# Allegro board F407_PACK_V10A.brd (continued)
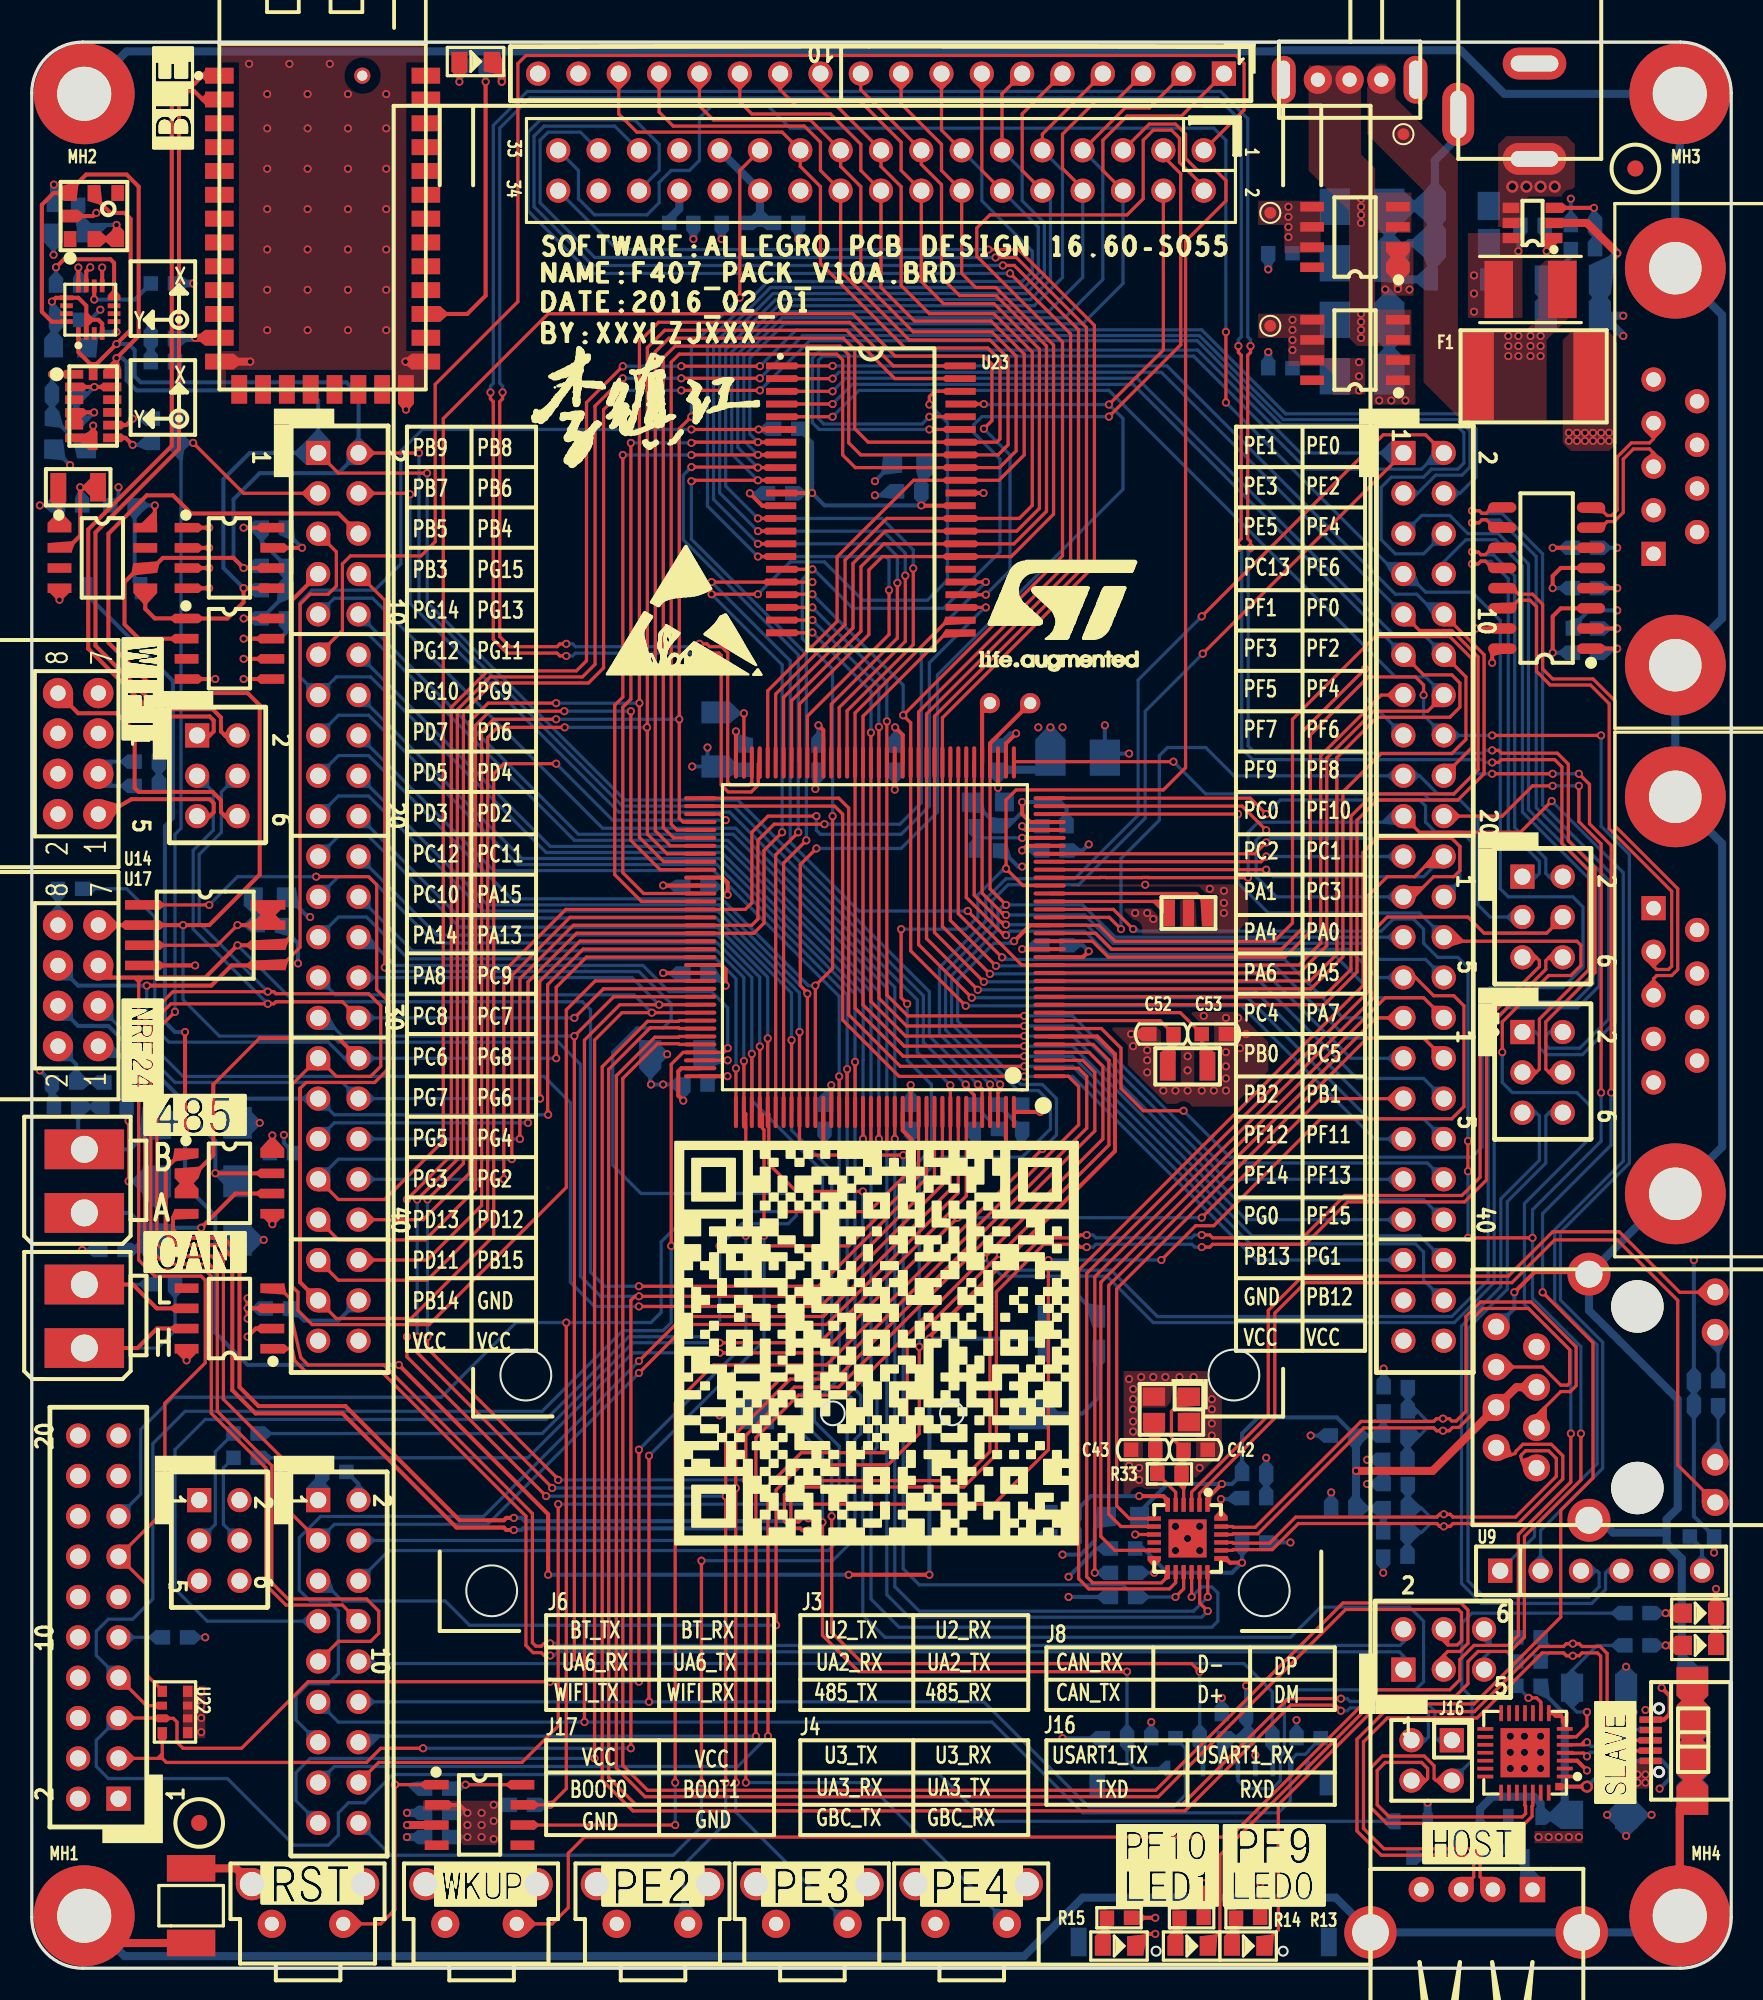
[diagram p0: board, top side]
## Routing (per net, layer and track width the routed paths; a pad name or vN(x,y) marks a point on that pad's centre or on a via; arc(x,y) is an arc through that point) (continued)
  BOTTOM w0.203: 5.46,28.45 6.86,29.84 6.86,33.91 8.89,35.94 25.78,35.94 30.48,40.64 v1(33.66,40.64) 38.99,40.64 39.62,41.27 39.62,45.72 41.53,47.62 v1(47.37,47.62) ; v1(32.64,10.29) R45.2 ; v1(55.12,60.71) 55.12,57.15 56.64,55.63 56.64,51.56 v1(55.37,50.29) ; v1(61.34,69.22) 61.21,69.22 59.56,67.56 59.56,66.17 58.8,65.41 v1(54.74,65.41)
PA5: length 43.4
  TOP w0.203: v1(61.34,66.29) 61.21,66.29 59.84,67.67 U21.41
  TOP w0.254: J18.2 59.84,79.14 U21.41
  BOTTOM w0.203: v1(61.34,66.29) 66.29,66.29 68.07,64.52 83.82,64.52 84.84,63.5 87.76,63.5 J10.28
PB0: length 111.5
  TOP w0.203: v1(60.22,108.18) 62.13,108.18 66.91,103.4 66.91,88.28 57.34,78.71 U21.46 57.34,65.58 v1(60.33,62.59)
  BOTTOM w0.203: J10.31 83.06,57.28 77.75,62.59 v1(60.33,62.59) ; v1(60.22,108.18) 36.85,108.18 J15.34
PB1: length 124.4
  TOP w0.203: v1(59.94,62.09) 56.84,65.19 U21.47 56.84,78.81 66.41,88.38 66.41,103.27 61.99,107.68 v1(60.68,107.68)
  BOTTOM w0.203: v1(60.68,107.68) 35.45,107.68 32,111.12 32,115.06 32.51,115.57 34.54,115.57 J15.31 ; J10.34 87.63,56.01 83.43,56.01 77.35,62.09 v1(59.94,62.09)
PB12: length 68.6
  TOP w0.203: v1(62.48,56.77) 54.68,56.77 51.44,60.02 51.44,73.03 50.81,73.65 U21.73
  BOTTOM w0.203: v1(62.48,56.77) 65.53,56.77 76.71,45.59 87.12,45.59 87.63,45.09 87.63,43.31 J10.44
PB13: length 63.7
  TOP w0.203: v1(62.48,56.13) 54.61,56.13 51.05,59.69 51.05,72.64 50.55,73.15 U21.74
  BOTTOM w0.203: J10.41 77.09,44.58 65.53,56.13 v1(62.48,56.13)
PC2: length 22.4
  TOP w0.203: U21.28 77.39,69.65 v1(77.72,69.98)
  BOTTOM w0.203: J10.21 v1(77.72,69.98)
PC3: length 30
  TOP w0.203: U21.29 77,70.15 v1(77.72,70.87)
  BOTTOM w0.203: J10.24 89.92,68.45 89.92,70.61 89.41,71.12 77.98,71.12 v1(77.72,70.87)
PC13: length 165.6
  TOP w0.203: U21.7 67.34,59.15 68.58,57.91 68.58,55.37 69.98,53.98 v1(72.52,53.98) ; v1(75.18,103) v1(75.18,98.55)
  BOTTOM w0.203: v1(75.18,98.55) 85.98,87.76 J10.7 86.61,87.76 87.76,86.61 90.68,86.61 92.46,84.84 92.46,67.94 92.96,67.44 97.03,67.44 97.66,66.8 97.66,62.99 96.39,61.72 91.82,61.72 91.31,61.21 91.31,51.69 90.68,51.05 75.44,51.05 v1(72.52,53.98) ; v1(75.18,103) 75.18,115.06 74.42,115.82 47.75,115.82 46.35,117.22 42.8,117.22 42.04,116.46 42.04,113.79 41.4,113.16 40.26,113.16 39.5,112.39 39.5,111.12 38.73,110.36 35.43,110.36 34.42,111.38 34.42,113.16 J15.33
PC14: length 10.3
  TOP w0.203: U21.8 71.04,59.65 C52.2 71.88,57.13 X3.2
PC15: length 12.5
  TOP w0.203: 73.53,58.8 73.66,58.67 73.66,56.97 73.86,56.77 X3.1 ; 73.53,58.8 73.53,58.93 72.31,60.15 U21.9 ; 73.53,58.8 C53.2
PF7: length 40
  TOP w0.203: v1(83.95,81.79) 80,77.84 80,65.45 78.69,64.14 67.99,64.14 66.99,65.15 U21.19
  BOTTOM w0.203: J10.15 83.95,80.01 v1(83.95,81.79)
PF8: length 138.7
  TOP w0.203: v1(40.51,11.68) 40.51,35.56 42.93,37.97 50.04,37.97 v1(63.63,51.56) ; J10.18 90.68,76.83 90.68,82.42 89.28,83.82 84.58,83.82 79.38,78.61 79.38,65.79 78.23,64.64 68.2,64.64 67.19,65.65 U21.20 ; U24.6 v1(40.51,9.01)
  TOP w0.254: v1(61.85,64.64) 62.85,65.65 U21.20
  BOTTOM w0.203: v1(61.85,64.64) 61.72,64.52 60.58,64.52 58.29,62.23 58.29,59.61 62.28,55.63 63.63,55.63 64.52,54.74 64.52,52.45 v1(63.63,51.56) ; v1(40.51,9.01) v1(40.51,11.68)
PF11: length 135.5
  TOP w0.203: v1(61.59,106.68) 65.41,102.87 65.41,88.65 55.84,79.08 U21.49 55.84,64.43 v1(59.18,61.09)
  BOTTOM w0.203: J15.30 39.5,113.16 39.5,114.81 37.97,116.33 32,116.33 31.24,115.57 31.24,110.62 35.18,106.68 v1(61.59,106.68) ; J10.36 87.63,53.47 84.17,53.47 76.55,61.09 v1(59.18,61.09)
RMII_CRS_DV: length 91.2
  TOP w0.203: v1(61.34,65.02) 61.21,65.02 58.84,67.4 U21.43 ; J10.30 87.63,61.09 85.22,61.09 67.31,43.18 67.31,27.18 68.19,26.3 U20.11
  BOTTOM w0.203: v1(61.34,65.02) 61.59,65.28 66.29,65.28 67.77,63.8 78.99,63.8 79.04,63.75 82.04,63.75 84.71,61.09 87.63,61.09 J10.30
RMII_REFCLK: length 100
  TOP w0.203: 72.02,24.95 72.02,24.27 71.63,23.88 66.55,23.88 65.91,24.51 65.91,43.94 74.09,52.12 74.1,52.12 74.37,52.39 74.37,52.4 83.82,61.85 83.82,70.23 84.71,71.12 89.41,71.12 89.92,70.61 89.92,69.09 89.53,68.71 88.27,68.71 87,67.44 J10.23 ; U21.35 76.2,73.15 v1(77.72,71.63)
  BOTTOM w0.203: J10.23 78.36,67.44 77.09,68.71 77.09,70.99 v1(77.72,71.63)
RMII_RX0: length 83.4
  TOP w0.203: U20.8 68.58,27.8 67.81,28.57 67.81,42.97 84.65,59.82 J10.29 ; v1(61.09,63.63) 58.34,66.38 U21.44
  BOTTOM w0.203: J10.29 82.55,59.82 78.87,63.5 61.21,63.5 v1(61.09,63.63)
RMII_RX1: length 88.6
  TOP w0.203: J10.32 87.63,58.55 84.09,58.55 68.31,42.77 68.31,29.1 69.11,28.3 U20.7 ; U21.45 57.84,65.96 v1(60.71,63.09)
  BOTTOM w0.203: v1(60.71,63.09) 78.26,63.09 82.8,58.55 87.63,58.55 J10.32
RMII_TXD0: length 107.1
  TOP w0.203: 73.52,24.95 73.53,24.94 73.53,22.99 v1(74.04,22.48) ; 53.84,53.9 53.84,51.7 v1(53.85,51.69)
  BOTTOM w0.203: J12.10 34.42,71.37 44.16,71.37 53.84,61.7 53.84,51.7 v1(53.85,51.69) 53.84,51.68 53.84,23.51 55.24,22.1 73.66,22.1 v1(74.04,22.48)
RMII_TXD1: length 108.6
  TOP w0.203: v1(74.04,23.37) 74.04,24.93 74.02,24.95 ; 54.34,53.9 v1(54.34,52.2)
  BOTTOM w0.203: v1(74.04,23.37) 73.15,22.48 55.88,22.48 54.34,24.02 v1(54.34,52.2) 54.34,61.74 44.32,71.75 35.94,71.75 21.46,86.23 19.05,86.23 J12.9
RMII_TXEN: length 109.9
  TOP w0.203: 73.02,24.95 73.03,24.95 v1(73.03,23.37) ; 52.84,53.9 v1(52.84,51.74)
  BOTTOM w0.203: J12.12 32.64,70.61 43.69,70.61 52.84,61.46 v1(52.84,51.74) 52.84,37.08 53.21,36.7 53.21,32.77 52.84,32.39 52.84,23.24 54.61,21.46 74.3,21.46 74.68,21.84 74.68,23.62 74.3,24 73.66,24 v1(73.03,23.37)
RS485_RX: length 131.9
  TOP w0.203: v1(73.66,45.39) 74.17,45.39 74.35,45.57 80.18,45.57 82.85,48.23 90.21,48.23 91.59,49.62 91.59,59.14 95.33,62.87 95.33,63.42 95.53,63.63 96.39,63.63 ; v1(48.9,28.32) 48.51,28.32 48.29,28.09 48,28.09 47.79,28.3 47.79,29.63 48.45,30.29 58.68,30.29 60.73,32.34 60.73,42.57 63.73,45.57 65.84,45.57 66.02,45.39 v1(66.42,45.39)
  TOP w0.254: U13.4 9.14,47.49 8.89,47.24 8.89,46.48 9.4,45.97 12.06,45.97 13.08,44.96 13.08,36.58 14.27,35.38 19.75,35.38 26.94,28.19 29.72,28.19 29.88,28.35 v1(30.35,28.35)
  BOTTOM w0.203: v1(73.66,45.39) 73.23,45.39 73.05,45.57 67,45.57 66.82,45.39 v1(66.42,45.39)
  BOTTOM w0.254: v1(30.35,28.35) 30.83,28.35 31.03,28.14 48.34,28.14 48.51,28.32 v1(48.9,28.32)
RS485_TX: length 137.1
  TOP w0.203: 93.85,63.63 94.72,63.63 94.92,63.42 94.92,63.04 91.19,59.31 91.19,49.78 90.04,48.64 82.68,48.64 80.01,45.97 74.35,45.97 74.17,46.15 v1(73.66,46.15) ; v1(66.42,46.15) 66.02,46.15 65.84,45.97 63.56,45.97 61.31,43.72 60.33,42.74 60.33,32.51 58.51,30.7 48.28,30.7 47.39,29.8 47.39,28.13 47.83,27.69 48.39,27.69 48.51,27.56 v1(48.9,27.56)
  TOP w0.254: U13.1 9.39,51.3 8.43,50.34 8.43,46.29 9.21,45.52 11.88,45.52 12.62,44.77 12.62,36.39 14.09,34.92 19.56,34.92 26.75,27.74 29.72,27.74 29.88,27.58 v1(30.35,27.58)
  BOTTOM w0.203: v1(66.42,46.15) 66.82,46.15 67,45.97 73.02,45.97 73.2,46.15 v1(73.66,46.15)
  BOTTOM w0.254: v1(48.9,27.56) 48.51,27.56 48.39,27.69 30.93,27.69 30.83,27.58 v1(30.35,27.58)
RXD: length 18.5
  TOP w0.203: U1.25 94.01,10.25 94.05,10.2 94.05,9.73 93.85,9.53 85.47,9.53 84.71,10.29 84.71,12.45 85.22,12.95 87.5,12.95 87.88,12.57 87.88,11.94 87.76,11.81 J16.4
SDIO_CLK: length 137
  TOP w0.203: v1(52.32,48.9) 48.13,48.9 46.41,50.62 46.41,53.76 46.34,53.83 v1(46.34,58.53)
  BOTTOM w0.203: v1(52.32,48.9) 52.32,36.7 52.7,36.32 52.7,33.15 52.32,32.77 52.32,22.23 53.72,20.83 79.25,20.83 81.15,22.73 86.74,22.73 87.63,21.84 87.63,18.03 87.12,17.53 79.63,17.53 78.87,16.76 78.87,13.59 78.61,13.34 78.61,11.81 78.11,11.3 76.45,11.3 75.95,11.81 75.95,12.56 75.94,12.57 ; v1(46.34,58.53) 46.34,62.38 43.18,65.53 26.92,65.53 21.21,71.25 19.3,71.25 J12.21
SDIO_CMD: length 109.3
  TOP w0.203: v1(73.53,18.67) 73.03,19.18 52.32,19.18 50.36,21.14 v1(50.36,28.45) ; 47.84,53.9 v1(47.84,58.42)
  BOTTOM w0.203: 73.74,12.57 73.74,14.27 R10.2 v1(73.53,18.67) ; J12.20 26.99,66.1 43.12,66.1 47.84,61.38 v1(47.84,58.42) 47.84,52.75 50.36,50.22 50.36,37.41 48.9,35.94 48.9,34.04 50.36,32.57 v1(50.36,28.45)
SDIO_D0: length 128.2
  TOP w0.203: v1(34.16,19.18) v1(34.16,58.67) 36.64,61.15 U21.98
  BOTTOM w0.203: v1(34.16,58.67) 19.56,58.67 18.41,59.82 J12.29 ; J14.10 20.7,19.18 v1(34.16,19.18) 76.33,19.18 78.11,17.4 R6.1 78.14,14.45 U6.7
SDIO_D1: length 140.2
  TOP w0.203: v1(34.8,15.49) 34.8,58.42 37.02,60.65 v1(39.5,60.65) U21.99
  BOTTOM w0.203: J14.11 19.3,15.49 v1(34.8,15.49) 60.45,15.49 66.17,9.78 78.49,9.78 79.24,10.53 79.24,13.07 79.63,13.46 80.19,13.46 80.39,13.67 80.39,13.72 R7.1 ; v1(39.5,60.65) 37.79,62.36 J12.28
SDIO_D2: length 106.9
  TOP w0.203: v1(68.96,18.67) 52.07,18.67 49.78,20.95 v1(49.78,28.07) ; 45.34,53.9 v1(45.34,57.56)
  BOTTOM w0.203: U6.1 69.47,12.57 68.96,13.08 R12.2 v1(68.96,18.67) ; v1(49.78,28.07) 49.78,32.38 48.51,33.66 48.51,36.2 49.78,37.47 49.78,50.16 45.34,54.61 v1(45.34,57.56) 45.34,62.36 43.16,64.53 25.38,64.53 21.21,68.71 19.3,68.71 J12.23
SDIO_D3: length 136.1
  TOP w0.203: v1(45.84,58.01) 45.84,53.9 46.01,53.73 46.01,52.87 46.1,52.78 v1(46.1,46.1) ; v1(38.86,32.26) v1(38.86,16.76)
  BOTTOM w0.203: v1(38.86,32.26) 46.1,39.5 v1(46.1,46.1) ; R11.2 72.64,13.85 U6.2 72.64,10.91 71.88,10.16 66.55,10.16 59.94,16.76 v1(38.86,16.76) J14.12 ; J12.22 25.52,65.03 43.17,65.03 45.84,62.37 v1(45.84,58.01)
SPEED_LED: length 56.6
  TOP w0.203: U20.2 73.52,29.89 78.26,34.63 78.26,41.23 80.18,43.15 93.19,43.15 95.89,45.85 99.82,45.85 103.63,42.04 103.63,31.68 J9.9
TPRX+: length 43.6
  TOP w0.203: J9.3 94.74,34.77 96.27,36.3 96.87,36.3 97.23,36.66 97.23,39.11 94.4,41.94 91.21,41.94 90.3,41.02 90.3,35.05 89.69,34.44 89.4,34.44 89.25,34.59 v1(88.85,34.59) 88.45,34.59 88.27,34.42 84.59,34.42 84.57,34.43 84.56,34.42 83.69,34.42 77.03,27.75 75.64,27.75 75.6,27.8 U20.23
  BOTTOM w0.203: C47.2 R28.2 87.25,35.05 87.88,34.42 88.27,34.42 88.45,34.59 v1(88.85,34.59)
TPRX-: length 43.9
  TOP w0.203: U20.22 75.6,27.3 75.64,27.35 77.2,27.35 83.86,34.01 88.27,34.01 88.45,33.83 v1(88.85,33.83) 89.25,33.83 89.46,34.04 89.86,34.04 90.7,34.88 90.7,40.85 91.38,41.53 94.23,41.53 96.82,38.94 96.82,36.83 96.7,36.7 96.27,36.7 95.13,37.84 J9.6
  BOTTOM w0.203: v1(88.85,33.83) 88.45,33.83 88.27,34.01 87.86,34.01 87.38,33.53 R29.2
  BOTTOM w0.254: C48.2 R29.2
TPTX+: length 32.2
  TOP w0.203: J9.1 93.84,31.94 93.74,32.22 93.79,32.31 94.05,32.57 95.5,32.57 95.99,32.09 95.99,30.96 93.42,28.4 89.48,28.4 89.3,28.57 v1(88.9,28.57) 88.65,28.57 88.47,28.4 79.58,28.4 77.94,26.75 75.64,26.75 75.6,26.8 U20.21
  BOTTOM w0.203: v1(88.9,28.57) 88.65,28.57 88.47,28.4 88.06,28.4 87.5,28.96 R30.2 C41.1
TPTX-: length 34
  TOP w0.203: J9.2 93.11,32.31 93.38,32.4 93.46,32.55 93.77,32.86 93.89,32.98 95.67,32.98 96.39,32.26 96.39,30.79 93.59,27.99 89.48,27.99 89.3,27.81 v1(88.9,27.81) 88.65,27.81 88.47,27.99 79.75,27.99 78.1,26.35 75.64,26.35 75.6,26.3 U20.20
  BOTTOM w0.203: C40.1 R31.2 87.5,27.43 88.06,27.99 88.45,27.99 88.5,27.94 88.52,27.94 88.65,27.81 v1(88.9,27.81)
TXD: length 42.5
  TOP w0.203: J16.2 88.42,11.81 88.29,11.94 88.29,12.74 87.67,13.36 85.05,13.36 84.3,12.61 84.3,10.12 85.3,9.12 94.02,9.12 94.46,9.56 94.46,10.2 94.51,10.25 U1.26
  BOTTOM w0.203: R1.1 90.68,22.35 90.04,21.72 90.04,17.65 90.68,17.02 90.68,13.08 J16.2
U2_RX: length 26.2
  TOP w0.203: v1(90.68,89.15) 90.69,89.14 91.07,89.14 91.23,88.98 91.52,88.98 91.95,89.41 U7.11
  BOTTOM w0.203: v1(90.68,89.15) 90.69,89.14 91.07,89.14 91.25,88.96 92.04,88.96 93.37,87.63 93.37,71.8 95.33,69.84 95.33,68.91 95.53,68.71 J3.2
U2_TX: length 25.5
  TOP w0.203: U7.12 91.95,88.14 91.51,88.57 91.24,88.57 91.06,88.39 v1(90.68,88.39)
  BOTTOM w0.203: v1(90.68,88.39) 91.06,88.39 91.22,88.55 91.87,88.55 92.96,87.46 92.96,71.63 94.92,69.67 94.92,68.91 94.72,68.71 J3.1
U3_RX: length 44.8
  TOP w0.203: v1(90.68,90.98) 91.11,90.98 91.3,91.18 91.58,91.18 92.08,90.68 U7.10
  BOTTOM w0.203: v1(90.68,90.98) 91.11,90.98 91.29,91.16 92.41,91.16 94.72,88.86 94.72,73.05 99.29,68.48 99.29,59.74 97.46,57.91 95.53,57.91 95.33,58.12 95.33,58.67 95.58,58.93 J4.2
U3_TX: length 46.8
  TOP w0.203: U7.9 91.95,91.95 91.58,91.58 91.3,91.58 91.14,91.74 v1(90.68,91.74)
  BOTTOM w0.203: J4.1 94.67,58.93 94.92,58.67 94.92,57.95 95.36,57.51 97.63,57.51 99.69,59.57 99.69,68.65 95.12,73.22 95.12,89.03 92.58,91.57 91.31,91.57 91.14,91.74 v1(90.68,91.74)
USART1_RX: length 110
  TOP w0.203: v1(82.42,16.97) 79.1,16.97 72.45,10.31 38.01,10.31 36.32,12 36.32,56.58 38.94,59.19 40.72,59.19 40.77,59.15 U21.102
  BOTTOM w0.203: J16.1 88.54,14.35 88.34,14.55 88.34,16.18 87.73,16.79 83,16.79 82.82,16.97 v1(82.42,16.97)
USART1_TX: length 110.8
  TOP w0.203: v1(82.42,16.21) 82.42,16.21 82.07,16.56 79.27,16.56 72.61,9.91 37.85,9.91 35.92,11.84 35.92,56.74 38.77,59.6 40.72,59.6 40.77,59.65 U21.101
  BOTTOM w0.203: v1(82.42,16.21) 82.82,16.21 83,16.38 87.56,16.38 87.93,16.01 87.93,14.55 87.73,14.35 J16.3
USART2_RX: length 39.3
  TOP w0.203: U21.37 61.88,75.95 v1(71.88,75.95)
  BOTTOM w0.203: v1(71.88,75.95) 73.91,73.91 87.63,73.91 88.01,73.53 89.92,73.53 91.06,72.39 91.06,66.93 91.82,66.17 93.85,66.17
USART3_RX: length 189.1
  TOP w0.203: v1(29.64,99.19) 29.64,98.79 29.46,98.61 29.46,83.82 30.1,83.19 33.08,83.19 33.25,83.36 v1(33.66,83.36) ; v1(91.95,75.9) 92.35,75.9 92.53,76.07 95.89,76.07 96.34,75.62 96.34,70.79 98.02,69.11 98.02,62.84 94.92,59.74 94.92,56.59 94.72,56.39 J4.3 ; v1(75.97,102.11) 75.97,101.71 76.15,101.53 76.15,89.99 75.97,89.81 v1(75.97,89.41) ; U21.70 45.34,74.65 45.13,74.45 44.02,74.45 43.81,74.65 43.81,82.8 43.43,83.19 42.68,83.19 42.5,83.36 v1(42.04,83.36)
  BOTTOM w0.203: v1(29.64,99.19) 29.64,99.59 29.46,99.77 29.46,115.82 31.37,117.73 74.68,117.73 76.15,116.26 76.15,102.69 75.97,102.51 v1(75.97,102.11) ; v1(42.04,83.36) 41.64,83.36 41.46,83.19 34.23,83.19 34.06,83.36 v1(33.66,83.36) ; v1(75.97,89.41) 76.17,89.2 76.17,76.77 76.87,76.07 91.37,76.07 91.55,75.9 v1(91.95,75.9)
USART3_TX: length 191.8
  TOP w0.203: v1(28.88,99.19) 28.88,98.79 29.06,98.61 29.06,83.65 29.93,82.78 33.08,82.78 33.25,82.6 v1(33.66,82.6) ; v1(91.95,76.66) 92.35,76.66 92.53,76.48 96.05,76.48 96.74,75.79 96.74,70.96 98.42,69.28 98.42,62.67 95.33,59.57 95.33,56.59 95.53,56.39 J4.4 ; v1(76.73,102.11) 76.73,101.71 76.56,101.53 76.56,89.99 76.73,89.81 v1(76.73,89.41) ; U21.69 45.74,75.8 45.74,74.48 45.3,74.04 43.85,74.04 43.41,74.48 43.41,82.64 43.27,82.78 42.68,82.78 42.5,82.6 v1(42.04,82.6)
  BOTTOM w0.203: v1(76.73,89.41) 76.58,89.26 76.58,76.94 77.04,76.48 91.37,76.48 91.55,76.66 v1(91.95,76.66) ; v1(28.88,99.19) 28.88,99.59 29.06,99.77 29.06,115.99 31.2,118.14 74.84,118.14 76.56,116.42 76.56,102.69 76.73,102.51 v1(76.73,102.11) ; v1(42.04,82.6) 41.64,82.6 41.46,82.78 34.23,82.78 34.06,82.6 v1(33.66,82.6)
USART6_RX: length 107
  TOP w0.203: v1(34.16,59.82) 35.99,61.65 U21.97 ; J12.30 19.56,60.83 15.37,60.83 15.24,60.71 v1(14.86,60.71) 8.76,60.71 7.49,59.44 7.49,45.21 8.38,44.32 11.18,44.32 11.68,43.81 11.68,35.05 15.11,31.62 15.11,24.26 16.13,23.24 21.08,23.24 21.84,22.48 21.84,21.08 21.34,20.57 19.3,20.57 J14.9
  BOTTOM w0.203: v1(14.86,60.71) 10.16,65.41 10.16,70.36 11.43,71.63 11.43,74.04 J6.3 ; v1(34.16,59.82) J12.30
USART6_TX: length 145.9
  TOP w0.203: J14.8 19.56,22.86 16,22.86 14.73,24.13 14.73,31.5 11.3,34.93 11.3,43.56 10.92,43.94 8.13,43.94 7.11,44.96 7.11,59.69 8.89,61.47 v1(14.86,61.47) 15.24,61.47 15.37,61.34 21.21,61.34 21.97,60.58 21.97,56.77 21.34,56.13 19.18,56.13 J12.31 16.38,55.63 16.38,42.93 16.76,42.55 16.76,41.4 17.65,40.51 25.02,40.51 33.66,49.15 33.66,60.33 35.48,62.15 U21.96
  BOTTOM w0.203: J6.4 11.94,74.04 11.94,71.5 10.54,70.1 10.54,65.79 v1(14.86,61.47)
USB_D+: length 112.8
  TOP w0.203: J8.3 88.9,19.68 89.15,19.94 89.92,19.94 90.42,20.45 90.42,22.55 89.98,22.99 82.55,22.99 70.76,11.2 41.19,11.2 38.78,11.2 37.21,12.77 37.21,56.01 39.4,58.19 40.72,58.19 40.77,58.15 U21.104
USB_D-: length 112.6
  TOP w0.203: U21.103 40.77,58.65 40.72,58.6 39.23,58.6 36.8,56.18 36.8,12.6 38.61,10.79 41.19,10.79 70.93,10.79 82.72,22.58 89.81,22.58 90.02,22.38 90.02,20.62 89.75,20.35 89.15,20.35 88.9,20.6 J8.4
USB_DM: length 44.2
  TOP w0.203: USB3.2 91.19,5.75 91.19,7.08 90.75,7.52 85.13,7.52 83.85,8.8 83.85,14.25 85.34,15.75 91,15.75 95.1,19.85 96.44,19.85 96.62,19.67 v1(97.02,19.67) 97.43,19.67 97.6,19.85 98.58,19.85 98.78,19.64 98.78,14.88 99.85,13.81 100.88,13.81 101,13.69 USB2.2
  BOTTOM w0.203: v1(97.02,19.67) 96.62,19.67 96.44,19.85 95.54,19.85 R24.2
USB_DP: length 44.9
  TOP w0.203: USB3.3 90.78,5.75 90.78,6.91 90.58,7.11 84.96,7.11 83.44,8.64 83.44,14.42 85.18,16.15 90.83,16.15 94.93,20.25 96.44,20.25 96.62,20.43 v1(97.02,20.43) 97.43,20.43 97.6,20.25 98.75,20.25 99.19,19.81 99.19,15.05 100.02,14.22 100.88,14.22 101,14.34 101.92,14.34
  BOTTOM w0.203: v1(97.02,20.43) 96.62,20.43 96.44,20.25 95.57,20.25 R23.2
USB_PWR: length 200.9
  TOP w0.203: v1(32.64,18.03) 17.4,18.03 13.21,13.84 9.53,13.84 9.14,14.22 9.14,15.49 8.91,15.73 8.22,15.73 8.2,15.75 J11.5 ; v1(38.23,18.03) v1(38.23,32.64) ; v1(44.84,57.1) 44.84,53.9 44.96,53.77 v1(44.96,46.1)
  BOTTOM w0.203: J12.24 23.98,64.03 43.16,64.03 44.84,62.35 v1(44.84,57.1) ; v1(32.64,18.03) v1(38.23,18.03) ; v1(38.23,32.64) 44.96,39.37 v1(44.96,46.1) ; Q2.1 60.1,9.25 57.15,12.19 22.73,12.19 20.95,10.41 19.94,10.41 19.3,9.78 19.3,8.38 18.67,7.75 16.51,7.75 12.32,11.94 4.83,11.94 4.06,12.7 4.06,14.35 J11.5
VREF+: length 3.1
  TOP w0.254: U21.32 62.59,71.65 v1(62.36,71.88)
  BOTTOM w0.254: v1(62.36,71.88) 63.63,71.88
W25QXX_CS: length 108.4
  TOP w0.203: v1(43.69,72.26) 43.3,72.65 U21.75 ; v1(17.91,68.71) 21.21,68.71 21.72,68.2 21.72,61.6 22.48,60.83 22.48,56.64 21.59,55.75 17.27,55.75 16.89,55.37 ; v1(11.18,66.93) U5.1 ; J12.43 19.18,40.89 23.88,40.89 29.08,46.1 29.08,75.18 29.72,75.82 v1(33.02,75.82)
  TOP w0.254: J12.43 16.89,43.18 16.89,55.37
  BOTTOM w0.203: v1(33.02,75.82) 36.58,72.26 v1(43.69,72.26) ; v1(17.91,68.71) 12.95,68.71 v1(11.18,66.93)
W25QXX_SPI_CLK: length 157.7
  TOP w0.203: v1(38.23,42.93) 49.53,42.93 56.34,49.73 56.34,53.9 ; 6.73,62.36 6.73,44.58 7.75,43.56 10.67,43.56 10.92,43.31 10.92,38.1 8.38,35.56 8.38,28.83 5.46,25.91 7.24,24.13 7.24,18.46 8.22,17.48 8.22,17.43
  TOP w0.254: J12.7 16.38,86.11 16.38,65.02 15.75,64.39 U5.6 v1(12.95,64.39) 10.92,62.36 4.95,62.36 U17.5
  BOTTOM w0.203: v1(12.95,64.39) 16.51,60.83 34.67,60.83 35.18,60.33 35.18,43.81 36.07,42.93 v1(38.23,42.93)
W25QXX_SPI_MISO: length 196
  TOP w0.203: 8.22,13.21 8.47,12.95 21.08,12.95 21.97,13.84 v1(24.64,13.84) ; 8.22,13.21 U22.4 ; 8.22,13.21 J11.3 ; v1(37.72,13.84) 37.72,42.04 37.97,42.29 v1(38.23,42.29) 49.6,42.29 56.84,49.52 56.84,53.9
  TOP w0.254: U17.7 U5.2 v1(9.53,65.66) 11.18,65.66 14.35,68.83 14.35,79.5 13.59,80.26 8,80.26 4.83,83.44 4.83,90.3 7.24,92.71 8.89,92.71 10.03,91.57 19.3,91.57 J12.6
  BOTTOM w0.203: v1(9.53,65.66) 9.53,60.96 11.81,58.67 18.92,58.67 19.3,58.29 33.15,58.29 34.54,56.9 34.54,43.56 35.81,42.29 v1(38.23,42.29) ; v1(37.72,13.84) v1(24.64,13.84)
W25QXX_SPI_MOSI: length 119.7
  TOP w0.203: U5.5 15.75,63.12 16.89,64.26 16.89,85.85 17.53,86.49 18.67,86.49 19.18,87 19.18,89.15 J12.5 ; v1(38.23,41.66) 49.67,41.66 57.34,49.32 57.34,53.9
  TOP w0.254: v1(7.24,61.85) 11.3,61.85 12.57,63.12 U5.5
  BOTTOM w0.203: v1(7.24,61.85) 7.24,58.42 9.53,56.13 32.26,56.13 33.91,54.48 33.91,43.18 35.43,41.66 v1(38.23,41.66)
  BOTTOM w0.254: v1(7.24,61.85) 2.92,61.85 1.65,63.12
WIFI_RXD: length 17
  TOP w0.254: J6.6 12.17,72.52 11.91,72.77 11.91,73.52 11.39,74.04 6.73,74.04 6.48,74.3 6.48,77.85 5.33,78.99 2.92,78.99 U14.8
WIFI_TXD: length 9.4
  TOP w0.254: U14.1 4.48,72.56 6.28,73.58 11.2,73.58 11.46,73.33 11.46,72.77 11.2,72.52 J6.5
WK_UP: length 168.1
  TOP w0.203: 88.9,64.9 89.15,64.64 97.28,64.64 97.54,64.39 97.54,63.12 96.9,62.48 95.5,62.48 92.58,59.56 v1(92.58,57.66) ; U21.34 75.94,72.65 v1(75.95,72.64) ; SW2.3 32.77,2.79 33.78,3.81 33.78,7.24 34.8,8.26 75.44,8.26 84.71,17.53 89.28,17.53 89.92,18.16 89.92,19.43 90.81,20.32 92.96,20.32 93.6,20.95 93.6,27.3 96.9,30.61 v1(96.9,33.66)
  BOTTOM w0.203: v1(96.9,33.66) 96.9,38.86 93.98,41.78 93.98,48.13 98.17,52.32 98.17,54.23 97.28,55.12 93.22,55.12 92.58,55.75 v1(92.58,57.66) ; 88.9,64.9 87.38,66.42 77.85,66.42 75.95,68.33 v1(75.95,72.64)
N10964059: length 7.1
  TOP w0.254: 3.3,93.22 v1(3.05,93.22) ; 3.3,93.22 4.17,93.22 ; 3.3,93.22 3.05,92.96 3.05,90.17 2.28,89.4 1.75,89.4
  BOTTOM w0.254: C22.2 3.05,92.2 v1(3.05,93.22)
N10964377: length 12.9
  TOP w0.203: U5.3 11.68,64.39 v1(12.95,65.66)
  TOP w0.254: U5.8 U5.7 v1(12.95,65.66)
  BOTTOM w0.254: L2.1 14.22,67.16 C14.1 v1(12.95,65.66)
N10965727: length 18.7
  TOP w0.254: U11.24 27.42,104.13 28.57,105.28 v1(28.57,118.75)
  BOTTOM w0.254: v1(28.57,118.75) R18.1
N10988251: length 4.7
  TOP w0.203: U24.8 v1(27.31,11.55)
  BOTTOM w0.203: R44.2 26.54,11.55 v1(27.31,11.55)
N10988379: length 16.1
  TOP w0.203: U24.1 24.21,11.55 24.21,11.56 v1(22.86,11.56) 22.86,3.68 21.97,2.79 SW6.3
  BOTTOM w0.203: R44.1 24.51,11.56 v1(22.86,11.56)
N11517045: length 8.1
  TOP w0.203: U21.23 71.28,67.15 71.63,66.8 X4.1
N11517097: length 10.8
  TOP w0.203: U21.24 73.32,67.65 74.03,66.94 X4.3
N11518043: length 5.7
  TOP w0.254: 61.34,53.9 v1(61.34,51.69)
  BOTTOM w0.203: R38.1 R39.1
  BOTTOM w0.254: v1(61.34,51.69) 61.34,52.33 R39.1
N11518115: length 3.4
  TOP w0.203: U21.106 v1(43.81,57.15)
  BOTTOM w0.203: C56.1 42.73,57.15 v1(43.81,57.15)
N11524608: length 20.1
  TOP w0.254: U23.11 v1(49.13,92.86) ; U23.33 56.03,92.06 v1(56.01,92.08)
  BOTTOM w0.254: C54.2 47.9,92.86 v1(49.13,92.86) ; v1(49.13,92.86) 49.91,92.08 v1(56.01,92.08) C55.1 56.01,94.46 L7.2 ; v1(49.13,92.86) 49.13,96.03 R41.1
N11543983: length 8.2
  TOP w0.254: U20.6 71.52,29.44 71.25,29.72 v1(69.72,29.72)
  BOTTOM w0.254: C45.2 C44.2 66.67,29.72 v1(69.72,29.72)
N11544758: length 2.6
  TOP w0.254: U20.24 v1(74.87,29.53)
  BOTTOM w0.254: v1(74.87,29.53) 76.14,29.53 R32.2
N11545616: length 2.1
  TOP w0.203: U20.12 v1(70.67,24.89)
  BOTTOM w0.203: v1(70.67,24.89) R37.1
N11546552: length 7.8
  TOP w0.203: U20.4 72.52,30.98 R33.1 72.39,32.51 C42.2 71.75,33.4 71.75,35.05 72.68,35.98 72.86,35.98
N11546564: length 5.8
  TOP w0.203: U20.5 72.02,29.96 R33.2 70.87,32.51 C43.2 70.74,34.3 X2.3
N11550641: length 3.1
  BOTTOM w0.203: J9.11 106.17,39.85 R34.1
N11550645: length 3.7
  BOTTOM w0.203: R35.1 106.17,32.04 J9.10
N11556832: length 2.6
  TOP w0.254: U10.1 1.75,93.14 1.67,93.22
N11557131: length 8.5
  TOP w0.254: v1(7.75,92.08) 7.75,90.93 7.49,90.67 7.14,90.67
  BOTTOM w0.254: v1(7.75,92.08) C23.1 6.48,87.27 D7.2
N11560624: length 1.9
  TOP w0.254: D4.1 75.82,1.65 R13.2
N11560628: length 1.9
  TOP w0.254: R14.2 72.26,1.65 D5.1
N11560632: length 1.9
  TOP w0.254: D6.1 67.69,1.65 R15.2
N11597010: length 3
  TOP w0.254: 98.17,83.06 v1(99.82,83.06)
  BOTTOM w0.254: C16.1 98.81,83.06 v1(99.82,83.06)
N11597014: length 4.7
  TOP w0.254: v1(95.76,86.87) 95.76,87.63 96.27,88.14 98.17,88.14
  BOTTOM w0.254: C19.2 v1(95.76,86.87)
N11597026: length 2.9
  TOP w0.254: 98.17,86.87 v1(99.82,86.87)
  BOTTOM w0.254: v1(99.82,86.87) C19.1
N11597030: length 6.2
  TOP w0.254: 98.17,85.6 96.27,85.6 95.76,85.09 v1(95.76,82.8)
  BOTTOM w0.254: v1(95.76,82.8) C16.2
N11597070: length 3.7
  TOP w0.254: 98.17,89.41 v1(95.76,89.41)
  BOTTOM w0.254: v1(95.76,89.41) C18.2
N11597652: length 33.8
  TOP w0.203: J1.3 102.11,62.28 102.31,62.48 103.25,62.48 103.63,62.87 103.63,67.94 99.69,71.88 99.69,79.76 98.3,81.15 95.76,81.15 95.12,81.79 95.12,85.85 94.49,86.49 93.6,86.49 93.22,86.87 U7.13
N11597726: length 32.4
  TOP w0.203: U7.14 93.09,85.6 93.6,86.11 94.33,86.11 94.74,85.69 94.74,81.63 95.6,80.77 98.14,80.77 99.31,79.6 99.31,71.72 103.25,67.79 103.25,63.07 103.05,62.87 102.31,62.87 102.11,63.07 J1.2
N11598195: length 8.9
  TOP w0.203: J2.3 102.11,95.38 101.85,95.63 100.84,95.63 100.2,94.99 100.2,91.63 99.63,91.06 99.19,91.06 98.81,90.68 98.17,90.68
N11598207: length 9.1
  TOP w0.203: 98.17,91.95 98.68,91.95 99.19,91.44 99.47,91.44 99.82,91.79 99.82,95.12 100.71,96.01 101.85,96.01 102.11,96.27 J2.4
N11600615: length 26.2
  TOP w0.203: v1(6.1,49.53) v1(6.1,53.34)
  TOP w0.254: U13.6 12.82,48.76 v1(10.67,46.61)
  BOTTOM w0.203: R17.2 6.1,54.1 v1(6.1,53.34) ; D9.1 v1(6.1,49.53)
  BOTTOM w0.254: D10.2 6.18,47.54 3.31,47.54 ; D10.2 7.24,45.21 R19.1 ; D10.2 7.87,45.97 ; 7.87,45.97 8.51,46.61 v1(10.67,46.61) ; 7.87,45.97 D9.1
N11600619: length 21
  TOP w0.254: U13.7 11.56,50.03 v1(11.56,50.04)
  BOTTOM w0.203: R17.1 R16.2
  BOTTOM w0.254: D9.2 12.45,50.03 11.56,50.03 v1(11.56,50.04) 11.56,52.07 10.41,53.21 D8.1 6.21,51.54 3.31,51.54 2.92,51.93 R16.2
N11604660: length 16
  TOP w0.254: 3.31,39.03 6.65,39.03 7.88,40.26 U15.7
  BOTTOM w0.203: 9.02,43.05 9.02,40.13 7.92,39.03 3.31,39.03
N11604675: length 11.2
  TOP w0.254: U15.6 7.87,41.53 6.37,43.03 3.31,43.03
  BOTTOM w0.203: R20.2 6.83,43.05 6.81,43.03 3.31,43.03
N11605775: length 3.2
  BOTTOM w0.203: R24.1 92.84,19.94 91.82,19.94 91.44,19.56 J8.5
N11606370: length 3
  BOTTOM w0.203: R23.1 92.96,20.32 91.82,20.32 91.44,20.7 J8.6
N11611671: length 4.4
  BOTTOM w0.508: R25.1 R27.1 89.56,7.01 Q2.3
N11611675: length 3.8
  BOTTOM w0.508: R27.2 92.33,7.11 92.96,7.75 Q1.1
